# Altium PCB 10515.0461_全联供输出板(2拼版)_V1.0.PcbDoc (part 6 of 9)
Units mm, origin at the board's own origin, x right, y up, seen from the top; angles counter-clockwise.
Board outline 283.88 x 134.8 mm, 2 copper layers (Top Layer, Bottom Layer); 298 components, 0 nets, 1264 pads, 970 vias.
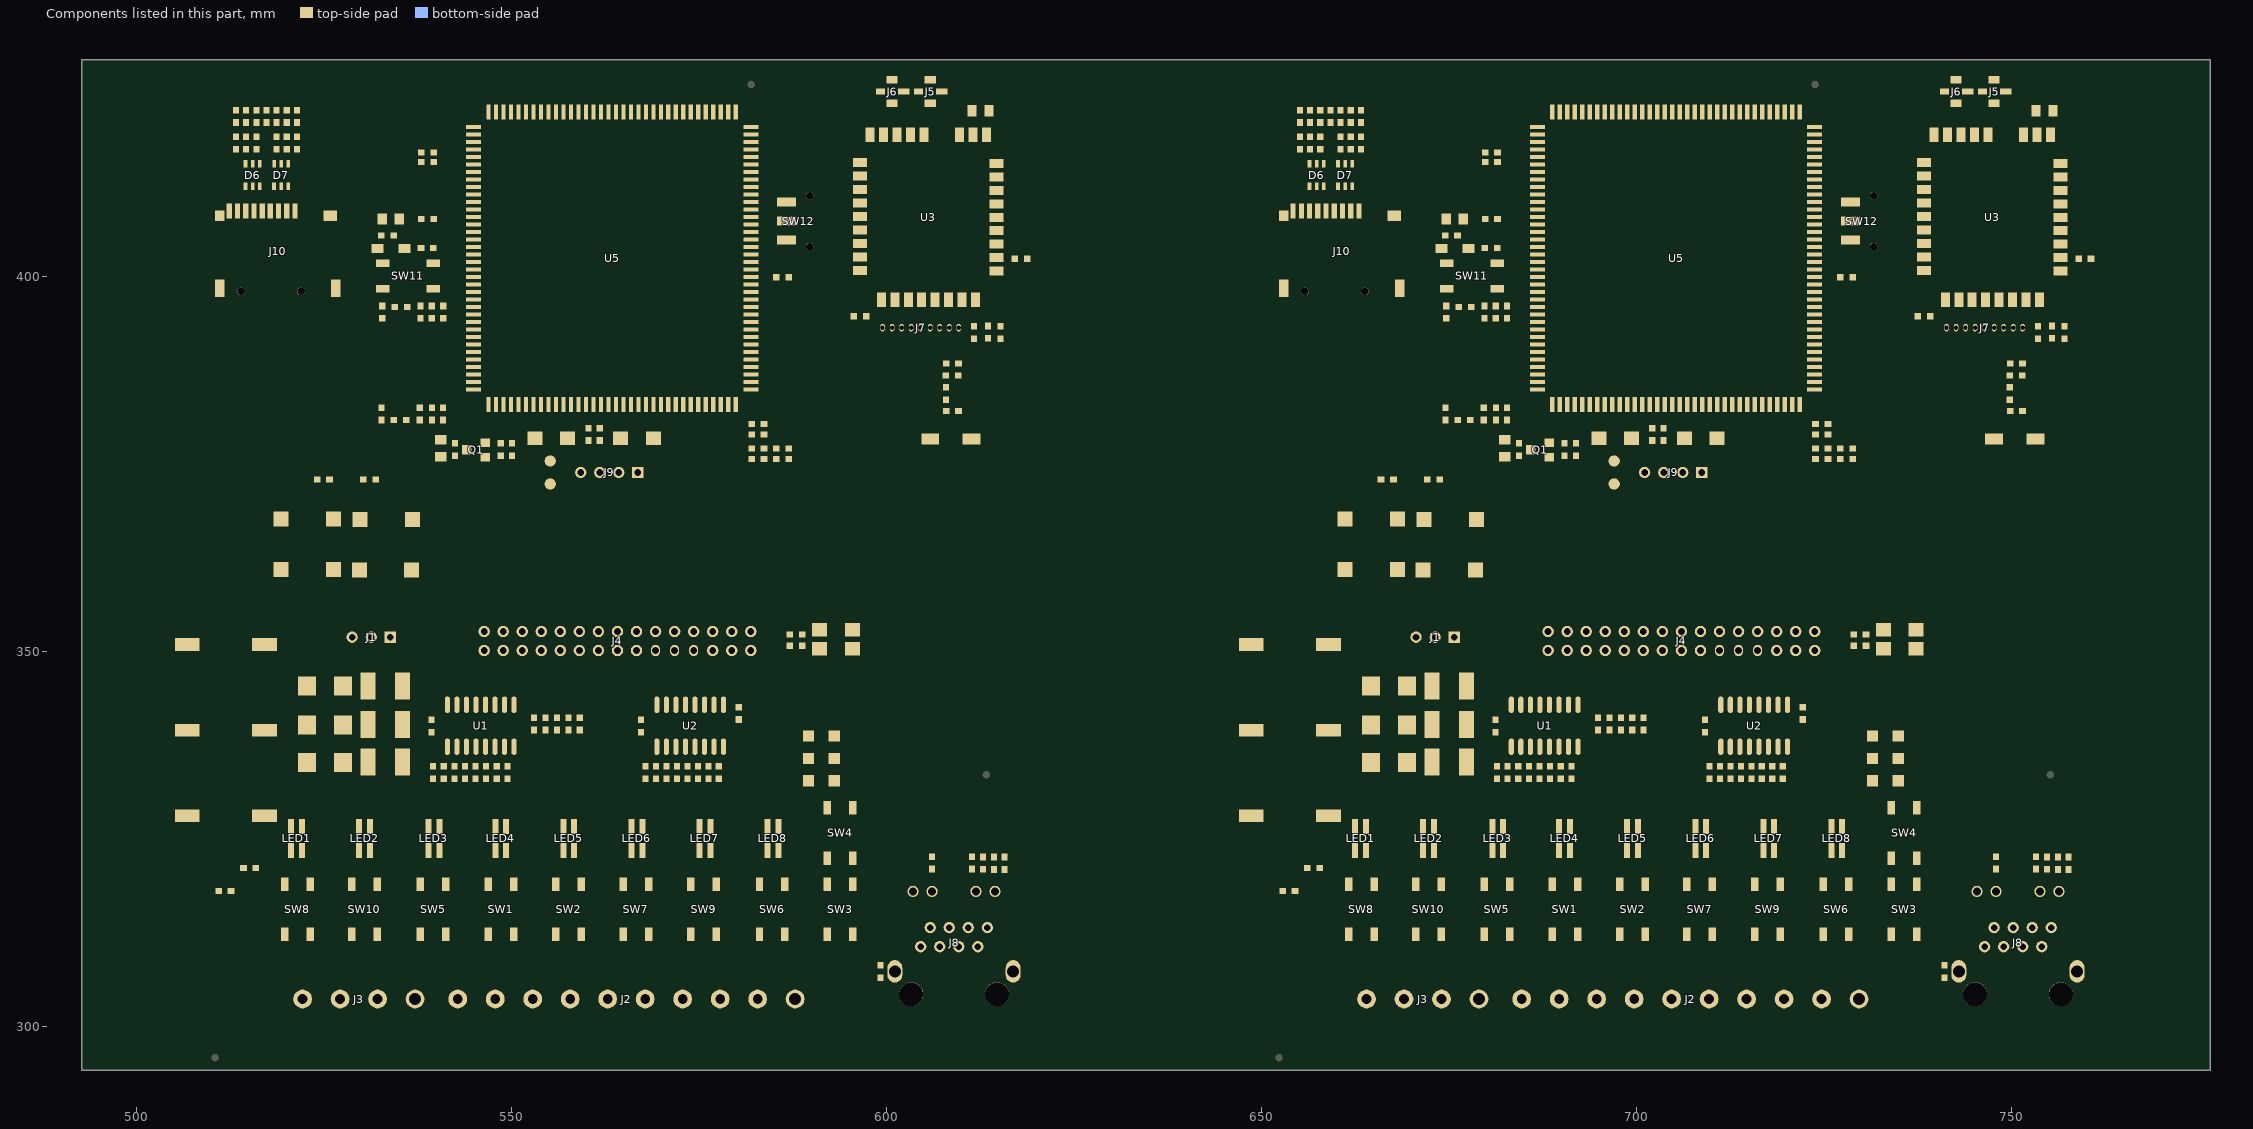
[diagram p6: the components of this part, seen from the top]

## Via types
v1: diameter 0.7, hole 0.4, Top Layer to Bottom Layer, tented both sides, 970 vias

## Nets (pads, with @x,y where several pads share a name; then routed paths per layer and width w, separated by ;. In a path a pad name is that pad's centre, name@x,y a point inside that pad or via, vN(x,y) a via of type N, cw(c..) or ccw(c..) an arc to the next point about the centre after c; other vN are vias at no path point) (continued)
copper on no net: (continued)
  Top Layer w0.8: 506.399,328.353 ccw(c505.631,329.121) 506.717,329.121 ccw(c507.803,329.121) 507.035,328.353 ; 506.399,339.147 cw(c505.631,338.379) 506.717,338.379 cw(c507.803,338.379) 507.035,339.147 ; 506.399,339.783 ccw(c505.631,340.551) 506.717,340.551 ccw(c507.803,340.551) 507.035,339.783 ; 506.399,350.577 cw(c505.631,349.809) 506.717,349.809 cw(c507.803,349.809) 507.035,350.577 ; v1@506.807,348.943 ccw(c507.913,348.943) 507.131,348.161 ; 507.199,339.147 cw(c505.878,337.826) 507.746,337.826 ; 507.199,339.783 ccw(c505.878,341.104) 507.746,341.104 ; 507.227,328.379 ccw(c506.061,329.766) 507.873,329.766 507.873,328.877 507.031,328.035 506.717,328.035 ; 507.364,328.35 cw(c507.978,327.086) 508.971,328.08 ; 507.517,350.445 cw(c507.517,349.532) 508.162,350.178 ; 507.613,327.595 cw(c507.828,326.618) 508.535,327.326 ; 507.746,329.766 507.746,344.879 ; 507.746,346.53 507.746,347.546 ; 507.835,327.717 cw(c508.603,326.949) 508.603,328.035 cw(c508.603,329.121) 507.835,328.353 ; 507.873,329.178 509.016,328.035 ; 507.873,344.879 510.032,347.038 ; 507.877,328.305 ccw(c509.524,329.536) 509.524,327.48 ; 507.967,350.895 ccw(c509.227,350.895) 508.336,350.004 ; 507.98,346.764 cw(c508.762,345.982) v1@508.762,347.088 ; 508,346.784 cw(c508.735,346.049) v1@508.763,347.088 ; 508,347.292 ccw(c508.735,348.027) v1@508.763,346.988 ; 508.817,349.523 cw(c507.601,348.308) v1@509.32,348.308 ; v1@509.27,348.358 cw(c509.27,346.639) 510.485,347.855 ; 509.668,346.674 cw(c510.667,345.676) v1@510.667,347.088 ; 509.715,346.721 cw(c510.605,345.83) v1@510.67,347.088 ; 509.848,348.492 ccw(c510.413,349.057) v1@510.413,348.258 ; v1@510.109,328.035 ccw(c511.083,328.035) 510.394,327.346 ; v1@510.163,328.085 cw(c510.107,327.298) 510.896,327.298 ; v1@510.194,328.07 cw(c508.501,326.377) 510.896,326.377 ; v1@510.208,328.024 cw(c509.524,328.182) 509.524,327.48 ; 510.286,303.731 510.286,304.366 ; 510.286,316.61 cw(c512.253,316.61) 510.862,318 ; 510.286,317.169 cw(c511.173,317.169) 510.86,317.999 ; 510.286,319.4 ccw(c512.253,319.4) 510.862,318.01 ; v1@510.286,348.054 507.445,350.895 506.717,350.895 506.717,348.575 507.746,347.546 ; 510.858,318.011 cw(c510.89,318.615) 510.286,318.615 ; 510.896,326.845 510.261,327.48 509.524,327.48 ; 511.048,398.408 511.048,406.601 ; 511.048,408.06 511.048,406.601 ; v1(511.429,347.038) 508.254,347.038 ; 512.699,300.937 510.286,303.35 510.286,302.588 ; 513.08,336.37 513.842,337.132 ; 513.842,300.937 536.321,300.937 537.09,301.706 ; v1(514.223,323.035) 514.223,308.176 ; 514.789,307.61 cw(c514.338,307.16) v1@514.975,307.16 ; v1@514.881,307.138 ccw(c515.874,307.637) 515.874,306.525 ; v1@514.904,307.115 cw(c515.39,308.176) 514.223,308.176 ; v1@514.925,307.21 cw(c514.925,306.573) 515.376,307.023 ; 515.377,338.667 cw(c516.217,337.827) 516.217,339.015 ; 515.479,338.769 ccw(c514.782,339.465) 515.767,339.465 ; 515.707,338.783 ccw(c515.707,339.691) 516.537,339.323 ; 515.806,339.647 cw(c514.477,340.236) 514.477,338.783 ; 515.849,326.81 cw(c516.725,326.81) 516.389,327.619 ; 515.849,330.011 ccw(c518.193,330.011) 516.535,328.353 ; 515.874,339.173 ccw(c513.969,337.55) 513.969,340.053 ; 515.882,321.058 ccw(c514.369,322.571) 516.509,322.571 ; 515.886,321.059 ccw(c515.854,321.713) 516.509,321.713 ; 515.893,321.053 ccw(c517.041,321.053) 516.229,320.241 ; 515.899,328.353 ccw(c514.732,329.52) 516.382,329.52 ; 515.899,339.147 ccw(c515.131,338.379) 515.131,339.465 ccw(c515.131,340.551) 515.899,339.783 ; 516.382,327.606 516.382,333.576 ; 516.699,328.353 ccw(c515.931,329.121) 517.017,329.121 ccw(c518.103,329.121) 517.335,328.353 ; 516.699,350.577 cw(c515.931,349.809) 517.017,349.809 cw(c518.103,349.809) 517.335,350.577 ; 517.271,332.814 519.049,334.592 ; 517.499,328.353 ccw(c516.822,329.03) 517.779,329.03 ; 517.499,350.577 cw(c516.822,349.9) 517.779,349.9 ; 517.525,308.049 516.636,308.938 516.636,319.835 515.849,320.622 ; 517.57,339.712 cw(c519.925,337.357) 519.925,340.688 ; 517.779,329.213 ccw(c518.995,329.213) 518.135,328.353 ; 517.779,347.927 519.811,345.895 ; 517.779,349.717 cw(c518.995,349.717) 518.135,350.577 ; 517.951,338.91 ccw(c517.951,344.765) 522.091,340.625 ; 517.976,351.316 ccw(c518.232,351.999) 518.748,351.483 ; 518.135,351.213 ccw(c518.903,351.981) 518.903,350.895 ccw(c518.903,349.809) 518.135,350.577 ; 518.267,339.465 cw(c519.945,339.465) 518.758,340.651 ; 518.668,345.336 517.779,346.225 517.779,347.419 ; 519.068,367.726 cw(c520.062,367.037) 520.062,368.247 ; 519.238,335.862 cw(c519.238,331.828) 522.091,334.681 ; 519.238,346.022 cw(c519.238,341.988) 522.091,344.841 ; 519.291,339.465 ccw(c519.291,343.425) 522.091,340.625 ; 519.373,361.022 cw(c517.704,359.353) 520.065,359.353 ; 519.484,334.592 ccw(c519.484,338.279) 522.091,335.672 ; 519.484,344.752 ccw(c519.484,348.439) 522.091,345.832 ; 519.545,340.688 cw(c519.545,337.088) 522.091,339.634 ; 519.656,360.457 ccw(c520.681,359.432) 519.232,359.432 ccw(c517.783,359.432) 518.808,360.457 ; 519.656,361.305 cw(c520.681,362.33) 519.232,362.33 cw(c517.783,362.33) 518.808,361.305 ccw(c516.692,363.421) 519.684,363.421 ; 519.656,368.036 ccw(c520.681,369.061) 520.681,367.612 ccw(c520.681,366.163) 519.656,367.188 ccw(c520.681,366.163) 519.232,366.163 ccw(c517.783,366.163) 518.808,367.188 cw(c516.692,365.072) 519.684,365.072 ; 519.684,358.341 ccw(c516.692,358.341) 518.808,360.457 ; 519.684,367.612 519.684,354.531 ; 519.725,367.271 cw(c521.589,365.981) 521.589,368.247 ; 519.882,338.91 ccw(c519.882,342.834) 522.656,340.059 cw(c521.222,341.494) 521.222,339.465 ; 520.065,357.421 ccw(c515.772,357.421) 518.808,360.457 ; 520.243,338.91 cw(c520.243,341.891) 518.135,339.783 ccw(c518.903,340.551) 518.903,339.465 ccw(c518.903,338.379) 518.135,339.147 ; 520.323,340.053 ccw(c520.323,336.959) 518.135,339.147 ; 520.323,351.483 ccw(c520.323,348.389) 518.135,350.577 ; 520.71,340.053 ccw(c520.71,342.006) 522.091,340.625 ; 520.74,340.053 cw(c520.74,338.143) 522.091,339.494 ; 521.17,335.862 cw(c521.17,333.76) 522.656,335.246 ; 521.17,346.022 cw(c521.17,343.92) 522.656,345.406 ; 521.415,334.592 ccw(c521.415,336.348) 522.656,335.106 ; 521.415,344.752 ccw(c521.415,346.508) 522.656,345.266 ; 521.437,338.91 517.572,338.91 517.017,339.465 ; 521.462,356.288 cw(c521.921,356.288) v1@521.833,356.739 ; 521.462,356.6 cw(c523.076,356.6) 521.935,357.741 cw(c522.769,356.907) 522.769,358.087 ; 521.462,357.489 ccw(c522.642,357.489) v1@521.808,356.655 ; 521.476,340.688 cw(c521.476,339.019) 522.656,340.199 ; 521.813,338.91 ccw(c521.813,340.902) 523.222,339.494 ; 521.856,340.688 ccw(c521.856,335.426) 518.135,339.147 ; 521.971,335.862 518.668,335.862 517.652,334.846 ; 521.971,346.022 518.668,346.022 517.779,346.911 517.779,347.419 ; v1(521.97,357.706) v1@521.97,356.563 ; v1(521.97,410.538) 527.431,410.538 ; v1@522.016,357.726 ccw(c521.462,357.482) 521.462,358.087 ; 522.072,334.592 519.049,334.592 ; 522.072,344.752 517.779,344.752 517.017,345.514 517.017,346.657 ; 522.09,303.604 514.858,303.604 ; 522.091,334.611 ccw(c520.725,333.245) 520.725,335.176 ccw(c520.725,337.108) 522.091,335.742 ; 522.091,344.771 ccw(c520.725,343.405) 520.725,345.336 ccw(c520.725,347.268) 522.091,345.902 ; 522.098,340.688 518.795,340.688 517.572,339.465 517.017,339.465 ; 522.187,358.087 cw(c522.187,356.907) v1@523.021,357.741 ; 522.58,340.053 518.414,340.053 ; 522.656,335.176 517.982,335.176 517.652,334.846 ; 522.656,340.129 521.992,339.465 517.017,339.465 ; 522.656,345.336 517.83,345.336 517.017,346.149 517.017,346.657 ; v1@522.951,357.741 cw(c523.785,356.907) 523.785,358.087 ; 523.255,356.563 ccw(c523.255,357.31) v1@523.783,356.782 ; 523.33,358.087 cw(c523.33,356.907) v1@524.164,357.741 ; 523.374,351.236 ccw(c522.776,350.638) 522.776,351.483 528.32,351.483 528.701,351.864 ; 523.494,370.152 523.494,372.386 524.027,372.919 ; 523.494,371.708 cw(c525.201,371.708) 523.994,372.915 ; 523.494,372.191 cw(c524.266,372.191) 523.992,372.913 ; 523.494,374.13 ccw(c525.201,374.13) 523.994,372.924 ; v1@523.713,356.782 ccw(c524.241,357.31) 524.241,356.563 ; 523.748,371.422 519.938,367.612 519.232,367.612 ; 524.027,370.685 521.589,368.247 ; 524.027,384.63 525.043,385.646 528.193,385.646 528.828,386.281 528.828,386.916 ; 524.856,358.56 ccw(c522.925,360.49) 525.636,360.81 ; 525.569,407.849 cw(c525.059,407.339) 525.78,407.339 cw(c526.501,407.339) 525.991,407.849 ; 525.678,368.466 ccw(c527.086,368.466) 526.091,367.471 ; 525.678,370.397 ccw(c529.017,370.397) 526.656,368.036 cw(c527.681,369.061) 526.232,369.061 cw(c524.783,369.061) 525.808,368.036 ccw(c523.115,370.729) 526.923,370.729 ; 525.678,372.438 526.923,371.193 526.923,361.897 ; 525.678,376.459 cw(c527.639,376.459) v1@526.253,377.845 ; 525.678,379.161 ccw(c527.639,379.161) v1@526.253,377.775 ; 525.712,372.924 ccw(c524.628,374.008) 526.161,374.008 ; 525.713,372.925 ccw(c525.252,373.708) 526.161,373.708 ; 525.78,361.333 525.78,367.612 526.232,367.612 ; 525.78,363.421 ccw(c528.772,363.421) 526.656,361.305 cw(c527.681,362.33) 526.232,362.33 cw(c524.783,362.33) 525.808,361.305 ccw(c523.115,363.998) 526.923,363.998 ; 525.78,365.072 cw(c528.772,365.072) 526.656,367.188 ccw(c527.681,366.163) 526.232,366.163 ccw(c524.783,366.163) 525.808,367.188 cw(c523.115,364.495) 526.923,364.495 ; 525.78,399.391 ccw(c527.018,399.391) 526.142,398.516 ; 525.78,401.088 cw(c527.394,401.088) v1@526.253,402.229 ; 525.78,401.323 ccw(c528.949,401.323) 526.708,399.082 ; 525.78,403.3 ccw(c527.394,403.3) v1@526.253,402.159 ; 525.78,403.628 cw(c527.394,403.628) v1@526.253,404.769 ; 525.78,405.84 ccw(c527.394,405.84) v1@526.253,404.699 ; 525.78,408.06 525.78,406.601 ; 525.971,373.518 ccw(c526.57,372.919) 525.723,372.919 ccw(c526.992,372.919) 526.095,372.022 ; 526.022,359.726 ccw(c525.011,360.737) 526.431,360.905 ; 526.042,382.733 cw(c526.542,382.233) v1@526.542,382.94 ; 526.161,351.483 526.542,351.864 528.701,351.864 ; 526.232,359.936 524.383,358.087 521.462,358.087 ; 526.232,371.884 526.232,367.612 ; 526.373,360.74 ccw(c525.047,362.066) 526.923,362.066 ; 526.373,367.471 ccw(c525.047,368.797) 526.923,368.797 ; 526.373,367.753 cw(c525.047,366.427) 526.923,366.427 ; 526.421,382.477 ccw(c526.008,382.89) v1@526.592,382.89 ; v1@526.492,382.887 cw(c527.1,382.929) 526.669,383.36 ; v1@526.507,382.925 cw(c527.556,381.876) 527.556,383.36 ; v1@526.542,382.84 ccw(c526.542,383.425) 526.955,383.011 ; 526.542,398.408 525.78,399.17 525.78,406.601 ; 526.78,361.125 cw(c527.413,361.407) 526.923,361.897 ; 527.05,386.281 528.193,387.424 528.193,395.044 529.184,396.035 532.715,396.035 ; 527.304,383.36 526.161,382.217 526.161,373.708 ; 527.456,335.246 cw(c528.672,334.471) 528.672,335.913 ; 527.456,345.336 528.041,344.752 530.182,344.752 ; 527.489,345.369 530.799,345.369 530.182,344.752 ; 528.022,334.611 cw(c529.388,333.245) 529.388,335.176 cw(c529.388,337.108) 528.022,335.742 ; 528.022,339.564 cw(c529.388,338.198) 529.388,340.129 cw(c529.388,342.061) 528.022,340.695 ; 528.022,344.771 cw(c529.466,343.327) 529.466,345.369 ; 528.022,345.902 ccw(c529.31,347.189) 529.31,345.369 ; 528.082,345.764 ccw(c530.182,347.435) 530.182,344.752 ; 528.088,340.551 ccw(c530.145,342.152) 530.145,339.545 528.041,339.545 527.456,340.129 530.729,340.129 ; 528.131,334.816 cw(c530.131,333.541) 530.131,335.913 528.193,335.913 527.456,335.176 530.729,335.176 ; 528.828,409.268 527.558,410.538 527.431,410.538 ; 528.907,344.752 cw(c528.907,342.677) 530.374,344.144 ; 528.955,403.68 532.108,403.68 532.574,404.146 532.574,407.503 ; 528.963,383.241 cw(c529.463,382.741) v1@529.463,383.448 ; 528.996,339.545 cw(c528.996,337.596) 530.374,338.974 ; 529.03,335.913 ccw(c529.03,337.814) 530.374,336.47 ; 529.183,335.176 ccw(c529.183,336.861) 530.374,335.67 ; 529.183,340.129 ccw(c529.183,341.814) 530.374,340.623 ; 529.209,361.241 529.209,371.878 530.2,372.869 ; 529.209,363.308 ccw(c532.15,363.308) 530.07,361.228 cw(c531.095,362.253) 529.646,362.253 cw(c528.197,362.253) 529.222,361.228 ccw(c526.8,363.65) 530.225,363.65 ; 529.209,364.725 cw(c532.583,364.725) 530.197,367.111 ccw(c531.528,365.78) 529.646,365.78 ; 529.209,366.656 cw(c530.652,366.656) 529.632,367.676 ; 529.209,368.414 ccw(c530.652,368.414) 529.632,367.394 ; 529.209,370.345 ccw(c532.583,370.345) 530.197,367.959 cw(c531.222,368.984) 529.773,368.984 cw(c528.324,368.984) 529.349,367.959 ccw(c527.295,370.013) 530.2,370.013 ; 529.244,360.359 cw(c527.249,358.15) 530.225,358.15 ; v1(529.336,397.838) v1(528.828,398.346) 528.828,410.03 528.32,410.538 527.431,410.538 ; v1@529.413,383.398 cw(c530.12,383.398) 529.62,383.898 ; 529.517,335.176 cw(c529.517,333.964) 530.374,334.821 ; 529.517,340.129 cw(c529.517,338.917) 530.374,339.774 ; v1@529.54,374.474 ccw(c530.717,374.378) 529.882,373.543 ; 529.59,373.59 cw(c530.612,373.59) v1@530.178,374.515 ; 529.59,373.754 cw(c531.551,373.754) v1@530.164,375.14 ; 529.59,375.821 ccw(c531.551,375.821) v1@530.164,374.435 ; 529.59,376.456 ccw(c531.551,376.456) v1@530.164,375.07 ; v1@529.625,374.435 ccw(c528.239,375.821) 530.2,375.821 ; v1@529.625,374.505 cw(c528.239,373.119) 530.2,373.119 ; v1@529.625,375.07 ccw(c528.239,376.456) 530.2,376.456 ; v1@529.625,375.14 cw(c528.239,373.754) 530.2,373.754 ; 529.646,366.393 ccw(c528.631,366.393) 529.349,367.111 cw(c527.233,364.995) 530.225,364.995 ; 529.67,335.913 cw(c529.67,334.917) 530.374,335.621 ; 529.704,339.545 ccw(c529.704,340.493) 530.374,339.823 ; 529.773,371.916 cw(c531.115,371.916) 530.166,372.864 ; 529.773,372.292 cw(c530.386,372.292) 530.164,372.863 ; 529.78,360.952 cw(c528.875,359.951) 530.225,359.951 ; 529.787,360.663 ccw(c528.731,361.719) 530.225,361.719 ; 529.793,344.752 ccw(c529.793,345.574) 530.374,344.993 ; 529.872,373.553 cw(c529.187,372.869) 530.155,372.869 ; 530.225,368.476 530.225,361.383 ; 530.352,385.265 529.209,384.122 526.542,384.122 525.678,383.258 525.678,382.369 ; 530.352,386.134 cw(c531.328,386.134) v1@530.638,386.824 ; 530.352,387.444 ccw(c531.328,387.444) v1@530.638,386.754 ; 530.352,392.103 cw(c531.328,392.103) v1@530.638,392.793 ; 530.352,393.413 ccw(c531.328,393.413) v1@530.638,392.723 ; 530.374,344.944 ccw(c529.35,343.92) 529.35,345.369 ccw(c529.35,346.817) 530.374,345.793 ; v1@530.709,386.754 ccw(c530.343,387.119) 530.86,387.119 ; v1@530.709,386.824 cw(c530.343,386.459) 530.86,386.459 ; v1@530.709,392.723 ccw(c530.343,393.088) 530.86,393.088 ; v1@530.709,392.793 cw(c530.343,392.428) 530.86,392.428 ; 531.622,394.384 530.86,393.622 530.86,385.138 530.352,384.63 ; 531.851,379.804 532.638,380.591 532.638,380.82 ; 531.893,372.864 cw(c533.623,371.135) 533.623,373.581 ; 531.895,372.867 ccw(c532.662,372.652) 532.099,372.088 ; 532.167,403.821 ccw(c531.182,404.806) 532.574,404.806 ; 532.574,406.611 cw(c533.619,406.611) 532.88,407.349 ; 532.633,382.514 ccw(c530.783,384.364) 533.4,384.364 ; 532.793,398.348 539.493,398.348 541.149,398.348 541.528,398.727 541.528,403.172 540.943,403.757 539.521,403.757 ; 532.793,401.748 539.493,401.748 ; v1(533.4,392.758) 533.4,382.471 ; 534.226,405.458 535.305,405.458 535.708,405.055 535.708,403.68 ; 534.231,380.82 531.851,380.82 531.851,373.581 ; 534.264,396.035 532.715,396.035 ; 534.797,354.102 534.241,354.658 520.652,354.658 520.065,355.245 520.065,360.048 519.232,360.881 ; 534.974,346.593 ccw(c533.95,347.617) 535.399,347.617 ccw(c536.847,347.617) 535.823,346.593 ; 535,407.642 537.883,407.642 ; 535.399,345.369 535.399,348.275 537.21,350.086 ; 535.785,403.757 537.87,403.757 537.87,401.9 ; 535.925,368.12 cw(c535.925,366.793) 536.924,367.667 ; 535.947,380.82 537.718,380.82 539.33,380.82 540.816,380.82 ; 536.049,403.539 cw(c536.577,403.011) 536.577,403.757 ; 536.169,396.035 537.795,396.035 539.319,396.035 540.843,396.035 ; 536.194,358.264 cw(c539.186,358.264) 537.07,360.38 ccw(c538.095,359.355) 536.646,359.355 ccw(c535.197,359.355) 536.222,360.38 ; 536.194,363.344 ccw(c539.186,363.344) 537.07,361.228 cw(c537.788,361.946) 536.773,361.946 ; 536.194,364.689 cw(c539.619,364.689) 537.197,367.111 ccw(c538.222,366.086) 536.773,366.086 ccw(c535.324,366.086) 536.349,367.111 ccw(c535.324,366.086) 535.324,367.535 ccw(c535.324,368.984) 536.349,367.959 ; 536.194,366.62 cw(c537.688,366.62) 536.632,367.676 ; 536.194,366.956 536.194,355.928 536.448,355.674 539.115,355.674 551.18,355.674 ; 536.222,361.228 ccw(c534.891,362.559) 536.773,362.559 ; 536.321,367.14 ccw(c534.162,365.251) 534.162,368.12 ; 536.524,302.97 cw(c535.396,301.706) 537.09,301.706 ; 537.039,355.845 538.944,355.845 553.041,355.845 553.212,355.674 ; 537.09,303.604 537.09,301.706 ; 537.21,356.309 536.646,356.873 536.646,360.804 536.773,360.931 536.773,367.535 ; v1@537.265,339.594 cw(c537.451,338.838) 538.002,339.388 ; v1@537.277,339.595 cw(c537.277,338.345) 538.161,339.229 ; v1@537.311,339.508 ccw(c536.462,340.434) 537.718,340.434 ; 537.656,302.97 ccw(c538.784,301.706) 537.09,301.706 ; 537.718,340.09 cw(c538.668,340.09) v1@537.996,340.761 ; 537.718,340.118 cw(c538.601,340.118) v1@537.997,340.763 ; 537.718,341.362 ccw(c538.668,341.362) v1@537.996,340.691 ; 537.718,345.939 cw(c538.56,345.939) v1@538.205,346.702 ; 537.795,394.384 540.843,394.384 532.715,394.384 531.089,394.384 530.352,393.647 530.352,384.63 ; v1@537.983,340.737 ccw(c539.189,340.479) 538.317,339.607 ; v1@538.176,346.657 cw(c540.508,346.657) v1@538.859,348.306 ; v1@538.221,346.607 cw(c538.279,347.165) v1@537.718,347.165 ; 538.263,339.66 ccw(c539.292,340.688) 539.292,339.234 ; 538.624,348.071 cw(c539.623,347.073) v1@539.623,348.485 ; 538.64,348.087 ccw(c538.291,348.435) v1@538.784,348.435 ; v1@538.671,348.118 cw(c539.561,347.227) v1@539.626,348.485 ; 538.734,339.189 537.718,340.205 537.718,340.434 ; v1@538.816,347.397 cw(c539.627,347.796) v1@538.988,348.435 ; 539.292,339.189 538.201,339.189 537.718,339.672 537.718,340.434 ; 539.292,340.84 539.292,345.945 540.131,346.784 552.783,346.784 553.926,347.927 ; 539.292,345.26 540.308,346.276 540.766,346.276 ; 539.439,347.87 ccw(c538.874,348.435) v1@539.673,348.435 ; 539.623,346.276 540.766,346.276 ; 540.048,371.251 553.212,371.251 553.847,370.616 ; 540.537,378.204 540.537,380.541 ; 540.537,380.094 cw(c541.504,380.094) 540.821,380.777 ; 541.013,398.212 cw(c542.163,397.061) v1@542.163,398.688 ; 541.166,398.365 cw(c541.982,397.549) v1@542.171,398.687 ; 541.274,370.787 538.48,373.581 531.851,373.581 ; 541.528,400.05 ccw(c543.575,400.05) v1@542.128,398.603 ; 542.373,382.471 ccw(c542.373,383.218) v1@542.901,382.69 ; 542.777,303.604 542.777,307.054 541.782,308.049 516.763,308.049 515.849,308.963 515.849,320.622 ; v1@542.83,382.69 ccw(c543.358,383.218) 543.358,382.471 ; v1@544.576,382.725 544.322,382.471 540.816,382.471 539.33,382.471 537.718,382.471 533.4,382.471 ; v1(546.481,379.169) 546.481,377.817 546.59,377.709 548.513,377.709 ; 546.666,377.938 ccw(c547.221,378.493) 547.221,377.709 ; 551.024,352.626 ccw(c550.15,352.626) 550.768,353.244 ccw(c551.386,353.862) 551.386,352.988 ; 551.718,300.683 cw(c551.718,299.503) v1@552.553,300.337 ; v1@552.482,300.337 cw(c553.316,299.503) 553.316,300.683 ; 552.706,378.053 cw(c551.853,377.2) 553.06,377.2 cw(c554.267,377.2) 553.414,378.053 ; 552.958,341.133 554.482,341.133 556.006,341.133 557.53,341.133 559.054,341.133 ; v1@553.06,376.756 553.06,378.407 ; 553.094,353.76 cw(c551.961,352.626) 553.564,352.626 ; 553.67,349.83 cw(c553.052,349.212) 553.926,349.212 cw(c554.8,349.212) 554.182,349.83 ; 553.67,352.882 ccw(c553.052,353.5) 553.926,353.5 ccw(c554.8,353.5) 554.182,352.882 ; 553.926,350.086 553.926,347.244 552.958,346.276 540.766,346.276 ; 553.926,352.626 553.926,352.928 ; 557.208,302.973 cw(c556.052,301.692) 557.777,301.692 ; 557.777,303.604 557.777,301.692 ; 558.346,302.973 ccw(c559.502,301.692) 557.777,301.692 ; 564.014,374.082 ccw(c563.416,374.68) 564.261,374.68 ccw(c565.106,374.68) 564.508,374.082 ; 564.261,373.835 564.261,375.359 564.896,375.994 565.658,375.994 ; 564.511,374.08 cw(c564.903,374.463) 564.515,374.851 565.658,375.994 ; 564.611,373.835 cw(c567.296,373.835) 565.397,375.733 ; 567.048,374.082 ccw(c567.646,374.68) 567.646,373.835 ccw(c567.646,372.99) 567.048,373.588 ; 567.119,374.153 cw(c566.354,373.388) 567.436,373.388 ; v1@567.278,375.955 ccw(c567.589,376.349) 567.944,375.994 v1@568.858,376.908 ; v1@567.309,375.944 ccw(c567.309,377.356) 568.308,376.358 ; v1@567.401,376.086 